# Allegro board RK3588S_Template_LP4XD200P232SD8H2_31X31_2133MHz_H1R6_V11_20220218YWQ.brd (continued)
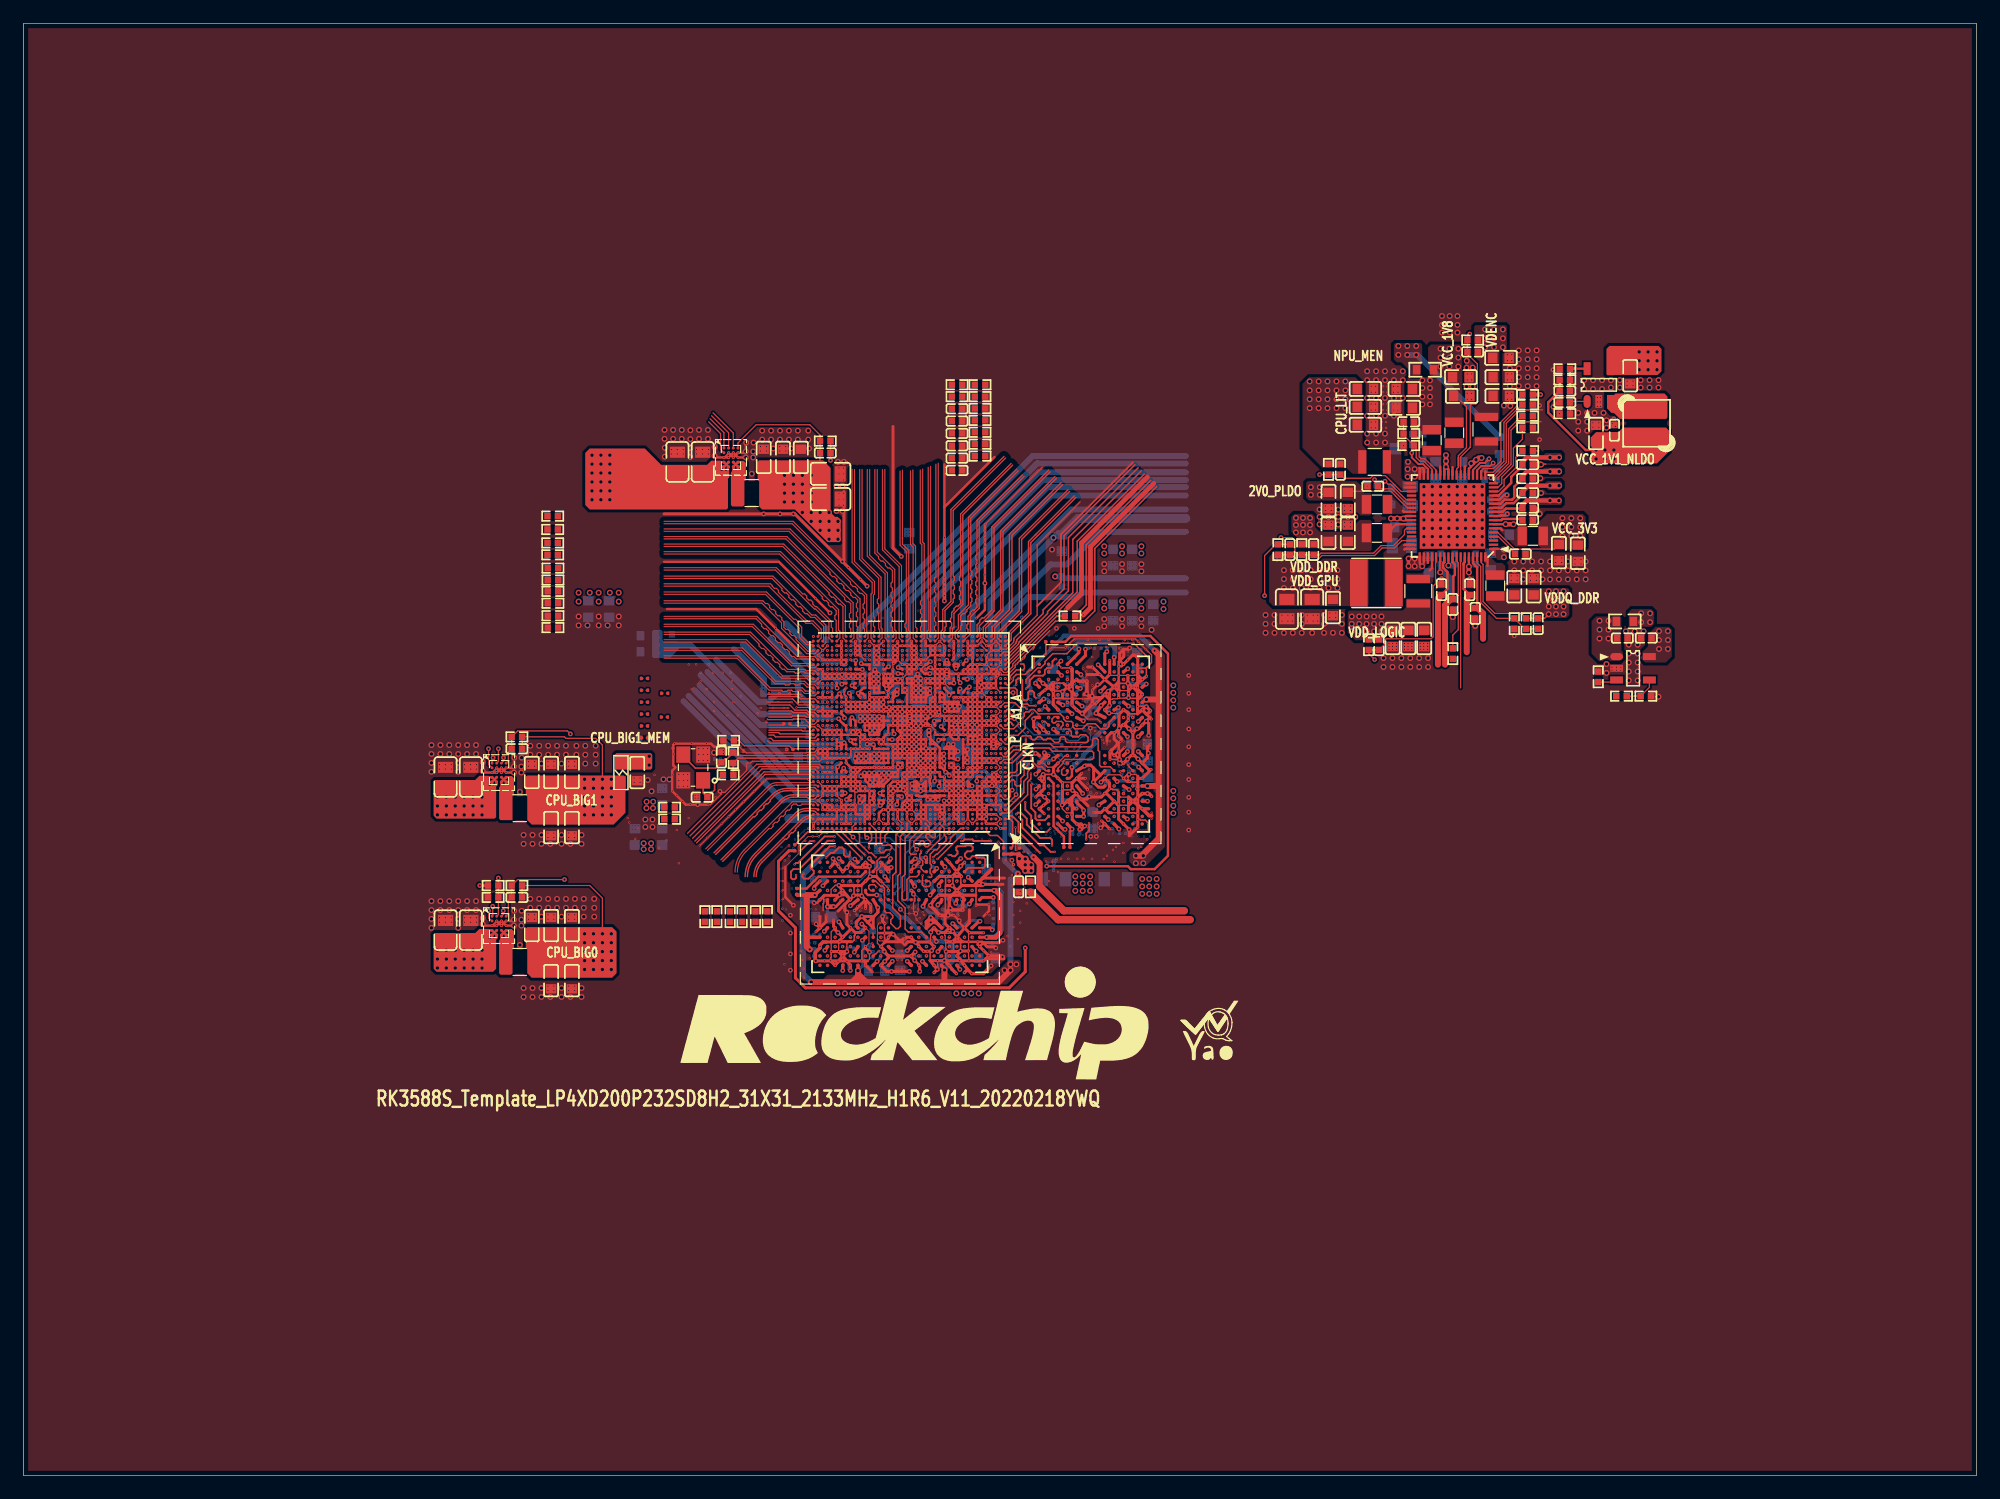
[diagram p0: board, top side]
## Routing (per net, layer and track width the routed paths; a pad name or vN(x,y) marks a point on that pad's centre or on a via; arc(x,y) is an arc through that point) (continued)
DDR_CH0_DQ7_B: length 12.1
  L3-S1 w0.079: v2(89.19,56.32) 88.71,56.32 88.44,56.06 87.45,56.06 86.85,56.66 v3(86.58,56.66) ; v2(82.29,60.5) 82.05,60.5 v3(82,60.55)
  L6-S2 w0.079: v3(86.58,56.66) 84.76,56.66 84.15,57.27 84.04,57.27 83.8,57.03 83.69,57.03 83.58,57.14 83.58,57.25 83.82,57.49 83.82,57.6 83.71,57.72 83.6,57.72 83.35,57.47 83.24,57.47 83.13,57.59 83.13,57.7 83.37,57.94 83.37,58.05 83.25,58.18 82.67,58.18 82.09,58.75 82.09,60.46 v3(82,60.55)
DDR_CH0_DQ8_A: length 18.3
  TOP w0.122: v2(85.24,69.35) 85.4,69.35 85.52,69.22 85.52,68.96 85.4,68.83 84.84,68.83 84.33,68.33 v2(84.33,68.06)
  L3-S1 w0.079: v2(94.79,68.67) 94.79,69.17 93.85,70.1 93.6,70.1 93.48,70.23 93.48,70.48 93.34,70.62 93.23,70.62 93.15,70.54 93.04,70.54 92.93,70.65 92.93,70.76 93.01,70.84 93.01,70.95 92.42,71.54 92.28,71.54 92.2,71.46 92.2,71.22 92.12,71.14 91.96,71.14 91.89,71.22 91.89,71.46 91.81,71.54 91.65,71.54 91.57,71.46 91.57,71.33 91.49,71.25 91.33,71.25 91.26,71.33 91.26,71.46 91.18,71.54 87.43,71.54 v2(85.24,69.35) ; v2(82.29,66.9) 82.85,67.46 83.08,67.46 83.26,67.64 83.95,67.64 84.33,68.03 v2(84.33,68.06)
DDR_CH0_DQ8_B: length 16.6
  L3-S1 w0.079: v2(82.29,57.7) 82.45,57.54 82.45,57.39 83.21,56.63 83.57,56.63 84.17,56.03 84.26,56.03 84.66,55.64 84.66,54.54 85.64,53.55 91.94,53.55 93.25,54.86 93.85,54.86 94.01,55.02 94.01,55.21 94.46,55.66 94.71,55.66 94.79,55.74 v2(94.79,56.32)
DDR_CH0_DQ9_A: length 17.6
  L3-S1 w0.079: v2(82.29,68.1) 82.9,68.71 83,68.71 84.23,69.93 85.14,69.93 85.51,70.3 85.51,70.38 87.18,72.05 92.63,72.05 95.5,69.18 95.5,68.58 94.95,68.02 v2(94.84,68.02)
DDR_CH0_DQ9_B: length 17.3
  TOP w0.152: v2(85.09,56.26) 85.34,56.01 85.34,55.36 86.86,53.85 87.21,53.85 87.76,53.3 v2(88.12,53.3)
  L3-S1 w0.079: v2(85.09,56.26) 85.09,56.56 83.15,58.5 v2(83.09,58.5) ; v2(88.12,53.3) 92.04,53.3 93.35,54.61 94.36,54.61 95.05,55.3 95.05,56.72 v2(94.79,56.97)
DDR_CH0_DQ10_A: length 17.9
  L3-S1 w0.079: v2(82.69,68.1) 83.43,68.84 84.28,69.69 85.21,69.69 87.32,71.79 92.53,71.79 95.12,69.2 95.12,68.58 94.93,68.39 94.71,68.39 94.6,68.28 94.6,67.9 94.79,67.71 v2(94.79,66.72)
DDR_CH0_DQ10_B: length 19.5
  TOP w0.152: v2(84.18,56.37) 84.48,56.37 85.02,55.82 85.02,55.04 86.84,53.21 v2(86.87,53.21)
  L3-S1 w0.079: v2(94.79,58.27) 94.79,57.99 95.03,57.75 95.03,57.11 95.31,56.84 95.31,55.15 94.51,54.35 93.46,54.35 92.15,53.04 88.09,53.04 87.92,52.87 87.27,52.87 86.93,53.21 v2(86.87,53.21) ; v2(82.69,57.7) 82.69,57.52 83.31,56.9 83.65,56.9 v2(84.18,56.37)
DDR_CH0_DQ11_A: length 20.7
  L3-S1 w0.079: v2(81.89,66.5) 82.11,66.28 82.95,66.28 83.21,66.02 84.56,66.02 85.27,66.73 85.27,67.77 85.98,68.47 85.98,68.64 86.82,69.47 87.56,69.47 87.79,69.71 87.79,70.39 88.06,70.66 88.19,70.66 88.47,70.95 90.86,70.95 91.35,70.45 91.98,70.45 93.34,69.09 v3(93.54,69.09) ; v2(94.79,66.07) 94.76,66.11 v3(94.06,66.11)
  L6-S2 w0.079: v3(93.54,69.09) 93.6,69.09 94.83,67.85 94.83,66.31 v4(94.67,66.15) 94.63,66.11 v3(94.06,66.11)
DDR_CH0_DQ11_B: length 18.3
  TOP w0.152: v2(91.05,55.75) 91.06,55.74 91.06,55.12 90.8,54.86 v2(90.8,54.36)
  L3-S1 w0.079: v2(82.69,58.5) 83.22,57.98 83.22,57.67 83.48,57.4 83.67,57.4 84.58,56.49 84.58,56.34 85.22,55.7 85.22,54.74 85.89,54.07 86.54,54.07 86.97,54.49 87.52,54.49 87.65,54.36 v2(90.8,54.36) ; v2(94.74,58.92) 94.61,59.05 94.39,59.05 94.27,59.17 93.84,59.17 93.2,58.53 92.89,58.53 92.21,57.85 92.21,56.91 v2(91.05,55.75)
DDR_CH0_DQ12_A: length 15.1
  L3-S1 w0.079: v2(93.19,66.07) 93,66.07 92.75,66.32 92.54,66.32 92.46,66.23 92.13,66.23 v3(91.82,66.54) ; v2(83.09,66.49) 83.11,66.49 83.37,66.24 84.54,66.24 85.07,66.76 85.07,67.92 85.72,68.58 85.72,68.75 86.83,69.85 v3(86.95,69.85)
  L6-S2 w0.079: v3(86.95,69.85) 87.29,69.51 87.84,69.51 88.52,68.83 88.72,68.83 89.15,68.4 89.15,67.82 89.28,67.69 89.57,67.69 89.91,67.35 89.91,66.81 89.99,66.73 90.37,66.73 90.89,66.21 91.48,66.21 v3(91.82,66.54)
DDR_CH0_DQ12_B: length 16.4
  TOP w0.152: v2(85.6,57.53) 85.6,57.53 85.6,56.9 86.11,56.39 86.11,55.75 86.86,55 87.44,55 v2(87.73,55.29)
  L3-S1 w0.079: v2(87.73,55.29) 87.76,55.29 88.07,55.6 89.76,55.6 90.04,55.88 90.68,55.88 91.04,56.24 91.04,57.04 92.8,58.8 93.07,58.8 v2(93.19,58.92) ; v2(85.6,57.53) 85.6,58.04 85.47,58.17 85.47,58.33 84.84,58.97 84.84,59.18 84.38,59.64 82.73,59.64 82.29,60.07 v2(82.29,60.1)
DDR_CH0_DQ13_A: length 14.3
  L3-S1 w0.079: v2(83.11,66.92) 83.11,66.98 83.38,67.25 84.14,67.25 85.47,68.58 85.47,68.85 87.19,70.57 87.45,70.57 v3(87.45,70.56) ; v3(91.31,68.01) 91.44,68.14 91.79,68.14 92.59,67.34 92.87,67.34 93.14,67.07 v2(93.14,66.72)
  L6-S2 w0.079: v3(91.31,68.01) 91.12,68.01 91,68.13 90.73,68.13 90.55,67.94 90.3,67.94 89.65,68.59 89.65,69.23 88.9,69.98 88.65,69.98 88.52,70.1 88.52,70.32 88.27,70.57 87.46,70.57 v3(87.45,70.56)
DDR_CH0_DQ13_B: length 15.9
  L3-S1 w0.079: v2(93.14,58.27) 93,58.27 92.89,58.17 92.89,58.05 93.03,57.91 93.03,57.8 92.92,57.69 92.81,57.69 92.66,57.83 92.55,57.83 92.46,57.74 92.46,56.78 90.56,54.87 87.75,54.87 87.5,55.12 87.5,55.74 87.42,55.81 86.78,55.81 86.26,56.33 86.26,56.79 85.82,57.24 85.82,58.07 85.72,58.17 85.72,58.37 85.09,59 85.09,59.23 84.48,59.84 83.5,59.84 83.42,59.92 83.42,60.03 v2(83.49,60.1)
DDR_CH0_DQ14_A: length 18.7
  TOP w0.145: 87.88,69.12 87.77,69 87.46,69 87.27,68.81 87.27,68.49 87.12,68.35 86.38,68.35 86.36,68.33
  TOP w0.152: 86.36,68.33 85.98,67.94 85.98,67.55 v2(85.67,67.24) ; v2(88.2,69.79) 88.14,69.79 87.92,69.57 87.92,69.15 87.88,69.12
  L3-S1 w0.079: v2(85.67,67.24) 85.67,66.61 84.63,65.57 84.03,65.57 83.95,65.65 83.95,65.73 83.87,65.81 83.2,65.81 v2(82.69,65.3) ; v2(93.19,68.02) 93.19,67.72 93.11,67.64 92.66,67.64 92.55,67.75 92.55,67.86 92.59,67.9 92.59,68.01 92.47,68.13 92.36,68.13 92.32,68.08 92.21,68.08 92.1,68.2 92.1,68.31 92.14,68.35 92.14,68.46 92.06,68.54 91.82,68.54 91.68,68.39 91.57,68.39 91.45,68.5 91.45,68.62 91.62,68.78 91.62,68.9 91.51,69.01 91.4,69.01 91.23,68.84 91.12,68.84 91.01,68.95 91.01,69.06 91.15,69.2 91.15,69.32 91.04,69.43 90.93,69.43 90.79,69.28 90.68,69.28 90.56,69.4 90.56,69.51 90.7,69.64 90.85,69.64 90.93,69.72 90.93,69.85 90.87,69.92 90.4,69.92 90.32,69.84 90.32,69.61 90.24,69.54 90.11,69.54 90.03,69.61 90.03,69.86 89.95,69.94 89.84,69.94 89.76,69.86 89.76,69.8 89.68,69.72 89.52,69.72 89.44,69.8 89.44,69.86 89.37,69.94 89.26,69.94 89.19,69.86 89.19,69.8 89.11,69.72 88.97,69.72 88.9,69.8 88.9,69.86 88.82,69.94 88.35,69.94 v2(88.2,69.79)
DDR_CH0_DQ14_B: length 16.6
  L3-S1 w0.079: v2(93.19,56.97) 93.45,56.72 93.45,55.92 91.63,54.1 87.54,54.1 87.41,54.23 87.08,54.23 86.65,53.81 85.76,53.81 84.96,54.61 84.96,55.63 84.4,56.19 84.4,56.46 83.71,57.15 83.4,57.15 82.97,57.58 82.97,57.82 82.62,58.17 82.51,58.17 82.42,58.08 82.25,58.08 82.18,58.16 82.18,58.38 v2(82.29,58.5)
DDR_CH0_DQ15_A: length 16.2
  L3-S1 w0.079: v3(88.13,70.22) 88.16,70.19 91.75,70.19 91.85,70.09 91.85,69.98 91.8,69.93 91.8,69.82 91.91,69.7 92.02,69.7 92.07,69.76 92.19,69.76 92.3,69.65 92.3,69.54 92.24,69.48 92.24,69.37 92.35,69.26 92.46,69.26 92.52,69.31 92.63,69.31 92.74,69.2 92.74,69.09 92.59,68.94 92.59,68.83 92.74,68.67 93.12,68.67 v2(93.2,68.75) ; v2(82.29,65.32) 82.39,65.32 82.82,65.75 v3(82.82,65.9)
  L6-S2 w0.079: v3(82.82,65.9) 83.22,66.29 83.22,67.47 83.57,67.82 83.57,69.22 84.07,69.72 86.23,69.72 86.73,70.22 v3(88.13,70.22)
DDR_CH0_DQ15_B: length 17.3
  L3-S1 w0.079: v2(81.89,60.1) 81.89,60.09 82.01,59.98 82.01,59.87 81.86,59.72 81.86,59.61 81.98,59.5 82.09,59.5 82.23,59.64 82.34,59.64 82.72,59.27 83.01,59.27 83.18,59.44 84.32,59.44 84.59,59.16 84.59,58.92 85.22,58.29 85.22,58.03 85.38,57.87 85.38,57.37 86.07,56.68 86.07,56.21 86.81,55.47 86.92,55.47 87.05,55.61 87.22,55.61 87.32,55.5 87.32,55.34 87.19,55.2 87.19,55.09 87.67,54.61 90.66,54.61 91.05,55 91.23,55 91.3,55.08 91.3,55.25 91.49,55.44 91.6,55.44 91.71,55.33 91.71,55.02 91.86,54.86 92.03,54.86 93.19,56.02 v2(93.19,56.32)
DDR_CH0_DQS0N_A: length 7.6
  L3-S1 w0.069: v2(83.49,68.1) 83.63,68.24 83.63,68.34 83.71,68.41 83.71,68.42 83.92,68.63 84.26,68.63 84.32,68.69 84.32,68.83 v3(84.21,68.94) ; v2(88.42,66.7) 88.21,66.7 v3(88.13,66.61)
  L6-S2 w0.069: v3(88.13,66.61) 87.93,66.81 87.79,66.81 87.62,66.98 87.62,67.48 87.45,67.64 87.45,67.88 87.32,68.01 87.32,68.31 86.97,68.66 86.31,68.66 86.21,68.56 86,68.56 85.9,68.66 85.7,68.66 85.57,68.54 85.43,68.54 85.3,68.41 v4(84.84,68.41) 84.7,68.41 84.4,68.7 84.4,68.88 84.33,68.94 v3(84.21,68.94)
DDR_CH0_DQS0N_B: length 7.3
  L3-S1 w0.069: v2(83.89,55.7) 83.89,55.7 v3(84.2,55.39) ; v3(88.13,58.07) 88.31,58.25 v2(88.42,58.25)
  L6-S2 w0.069: v3(88.13,58.07) 88.13,57.98 88.06,57.91 87.98,57.91 87.51,57.44 87.51,56.42 86.98,55.89 86.96,55.89 86.96,55.89 86.68,55.89 86.68,55.89 85.35,55.89 84.46,55 84.06,55 84,55.06 84,55.2 v3(84.2,55.39)
DDR_CH0_DQS0P_A: length 7.2
  L3-S1 w0.069: v2(88.42,67.35) 88.3,67.35 v3(88.13,67.18) ; v2(83.89,68.1) 83.82,68.17 83.82,68.2 83.8,68.21 83.8,68.26 83.88,68.34 83.88,68.34 83.99,68.45 84.33,68.45 84.58,68.71 84.58,68.75 v3(84.77,68.94)
  L6-S2 w0.069: v3(88.13,67.18) 87.93,66.98 87.86,66.98 87.79,67.05 87.79,67.55 87.63,67.71 87.63,67.95 87.49,68.08 87.49,68.38 87.04,68.83 85.53,68.83 v4(85.47,68.77) 85.41,68.71 85.36,68.71 85.23,68.58 85.09,68.58 85.03,68.64 84.7,68.64 84.65,68.7 84.65,68.82 v3(84.77,68.94)
DDR_CH0_DQS0P_B: length 7.3
  L3-S1 w0.069: v3(88.13,57.5) 88.21,57.59 88.41,57.59 v2(88.42,57.6) ; v2(83.49,55.7) 83.49,55.53 v3(83.63,55.39)
  L6-S2 w0.069: v3(83.63,55.39) 83.83,55.2 83.83,54.99 83.99,54.83 84.53,54.83 85.42,55.72 86.61,55.72 86.61,55.71 87.03,55.71 87.03,55.72 87.05,55.72 87.68,56.35 87.68,57.37 87.93,57.61 88.02,57.61 v3(88.13,57.5)
DDR_CH0_DQS1N_A: length 13.6
  L3-S1 w0.069: v3(84.94,70.43) 84.75,70.61 83.95,70.61 83.52,70.19 83.12,70.19 83.09,70.16 v2(83.09,70.1) ; v2(94.04,66.72) 94,66.77 v3(93.74,66.77)
  L6-S2 w0.069: v3(84.94,70.43) 85.13,70.63 86.36,70.63 87.07,71.33 88.5,71.33 90.28,69.55 90.55,69.55 92.64,67.46 92.75,67.46 93.11,67.1 93.4,67.1 93.47,67.03 v4(93.47,67.01) 93.5,67.01 v3(93.74,66.77)
DDR_CH0_DQS1N_B: length 14.8
  L3-S1 w0.069: v3(85.91,54.85) 86.11,55.05 86.11,55.44 85.45,56.09 85.45,56.62 83.71,58.36 83.71,58.68 v2(83.49,58.9) ; v3(93.71,58.21) 93.98,58.21 v2(94.02,58.25)
  L6-S2 w0.069: v3(93.71,58.21) 93.49,57.99 91.57,57.99 91.23,57.65 90.29,57.65 89.53,56.88 88.75,56.88 87.21,55.34 86.28,55.34 86.11,55.17 86.11,55.05 v3(85.91,54.85)
DDR_CH0_DQS1P_A: length 14
  L3-S1 w0.069: v2(94.04,67.37) 94,67.33 v3(93.74,67.33) ; v2(82.69,70.1) 82.79,70.1 83,70.31 83.01,70.31 83.05,70.36 83.45,70.36 83.88,70.79 84.73,70.79 v3(84.94,70.99)
  L6-S2 w0.069: v3(84.94,70.99) 85.13,70.8 86.29,70.8 87,71.5 88.57,71.5 90.35,69.72 90.62,69.72 92.71,67.63 92.82,67.63 92.99,67.46 v4(93.1,67.46) 93.09,67.46 93.09,67.36 93.18,67.27 93.68,67.27 v3(93.74,67.33)
DDR_CH0_DQS1P_B: length 14.4
  L3-S1 w0.069: v3(93.71,57.64) 93.98,57.64 v2(94.02,57.6) ; v3(86.47,54.85) 86.28,55.05 86.28,55.51 85.63,56.16 85.63,56.69 83.89,58.43 83.89,58.74 83.89,58.74 v2(83.89,58.9)
  L6-S2 w0.069: v3(86.47,54.85) 86.29,55.04 86.29,55.1 86.35,55.17 87.28,55.17 88.82,56.71 89.6,56.71 90.36,57.47 91.3,57.47 91.64,57.81 93.54,57.81 v3(93.71,57.64)
DDR_CH0_LP4/4X_CKE0/LP5_CS0_A: length 8.7
  TOP w0.122: U1000.AK1 v1(84.56,66.9)
  BOTTOM w0.122: R3810.1 89.42,63.22 89.34,63.3 86.31,63.3 85.41,64.2 85.41,65.82 84.56,66.67 v1(84.56,66.9)
DDR_CH0_LP4/4X_CKE0/LP5_CS0_B: length 9.2
  TOP w0.102: U1000.H2 83.81,57.78
  TOP w0.122: 83.81,57.78 84.07,57.78 84.33,58.04 84.33,58.42 v1(84.48,58.57)
  BOTTOM w0.122: R3812.2 88.62,62.53 85.75,62.53 84.48,61.27 v1(84.48,58.57)
DDR_CH0_LP4/4X_CKE1/LP5_CS1_A: length 7.9
  TOP w0.122: U1000.AD1 83.89,64.5 84.06,64.67 v1(84.66,64.67)
  BOTTOM w0.122: v1(84.66,64.67) 84.96,64.37 84.96,64.01 86.06,62.92 89.18,62.92 89.3,62.8 90.11,62.8 90.52,63.22 R3811.1
DDR_CH0_LP4/4X_CKE1/LP5_CS1_B: length 8.2
  TOP w0.122: v1(84.81,58.19) 84.81,58.14 83.97,57.3 U1000.F1
  BOTTOM w0.122: v1(84.81,58.19) 84.86,58.24 84.86,61.11 85.91,62.16 88.09,62.16 R3813.2
DDR_CH0_LP4/4X_CS0_A: length 13.6
  TOP w0.102: 83.9,62.49 U1000.Y2
  TOP w0.122: v2(88.95,63.8) 88.97,63.79 89.32,63.79 89.53,63.57 89.53,63.24 89.66,63.12 90.13,63.12 90.32,63.3 90.75,63.3 90.96,63.09 90.96,62.77 90.84,62.64 89.16,62.64 89.04,62.77 89.04,63 88.91,63.12 88.67,63.12 88.55,63 88.55,62.77 88.43,62.64 88.1,62.64 87.76,62.99 87.5,62.99 87.38,62.87 87.15,62.87 87.02,62.99 87.02,63 86.9,63.12 86.66,63.12 86.54,63 86.54,62.99 86.41,62.87 86.23,62.87 86.11,62.99 86.11,63.12 86.02,63.21 85.36,63.21 85.22,63.06 85.22,62.86 85.1,62.74 84.84,62.74 84.71,62.87 84.43,62.87 84.33,62.76 84.33,62.61 84.2,62.49 83.9,62.49
  L3-S1 w0.064: v2(88.95,63.8) 88.98,63.83 88.98,64.17 89.19,64.38 v2(89.19,64.77)
DDR_CH0_LP4/4X_CS0_B: length 11
  TOP w0.122: v2(88.93,60.49) 88.7,60.27 88.7,59.96 88.83,59.84 89.03,59.84 89.22,60.03 89.22,60.2 U3800.R4 ; v2(85.89,60.81) 85.5,60.41 85.5,59.84 85.22,59.56 85.22,59.05 85.1,58.93 84.83,58.93 84.71,59.05 84.71,59.31 84.58,59.44 84.45,59.44 84.18,59.16 84.18,58.78 83.9,58.5 U1000.J1
  L3-S1 w0.064: v2(88.93,60.49) 88.8,60.36 88.8,60.27 88.86,60.21 89.09,60.21 89.27,60.39 89.27,60.53 88.93,60.87 88.75,60.87 88.68,60.8 88.68,60.55 88.62,60.49 88.55,60.49 88.49,60.55 88.49,60.73 88.43,60.79 88.34,60.79 88.21,60.67 88.19,60.67 87.66,60.67 86.78,60.67 86.7,60.74 85.95,60.74 v2(85.89,60.81)
DDR_CH0_LP4/4X_CS1_A: length 11.6
  TOP w0.122: v2(88.65,63.79) 88.65,63.94 88.82,64.11 88.82,64.32 88.7,64.44 88.26,64.44 88.14,64.32 87.99,64.32 87.88,64.42 87.88,64.64 88.09,64.85 88.32,64.85 U3800.H3 ; U1000.AC1 84.03,64.1 84.1,64.17 84.1,64.27 84.2,64.37 84.35,64.37 84.45,64.27 84.45,64.22 v2(84.56,64.12)
  L3-S1 w0.064: v2(88.65,63.79) 88.71,63.85 88.71,63.94 88.65,64.01 88.65,64.16 88.74,64.26 88.81,64.26 88.9,64.35 88.9,64.52 88.96,64.57 88.96,64.79 88.85,64.9 88.72,64.9 88.65,64.82 88.49,64.82 88.42,64.9 88.28,64.9 88.22,64.83 88.22,64.24 88.11,64.14 88.01,64.14 87.88,64.26 87.79,64.26 87.7,64.17 87.7,63.78 87.64,63.71 87.52,63.71 87.46,63.78 87.46,63.94 87.4,64.01 87.34,64.01 87.22,64.14 87.12,64.14 86.99,64.01 86.93,64.01 86.87,64.07 86.87,64.25 86.8,64.31 86.69,64.31 86.62,64.25 86.62,64.13 86.58,64.08 86.48,64.08 86.42,64.14 86.42,64.27 86.35,64.33 86.23,64.33 86.16,64.26 86.16,64.16 86.09,64.09 85.58,64.09 85.51,64.02 84.99,64.02 84.9,64.1 84.8,64.1 84.72,64.02 84.62,64.02 84.56,64.08 v2(84.56,64.12)
DDR_CH0_LP4/4X_CS1_B: length 13.2
  TOP w0.122: U1000.M1 83.96,59.7 84.33,60.07 84.71,60.07 84.9,60.26 84.9,60.77 86.3,62.17 87.63,62.17 87.91,61.89 91.31,61.89 91.44,61.76 91.44,61.32 91.31,61.19 88.99,61.19 88.83,61.03 88.83,60.87 88.39,60.43 U3800.R3
DDR_CH1_A0_C: length 9.7
  TOP w0.102: 77.38,55.41 U1000.B18
  TOP w0.122: v2(76.58,53.85) 76.54,53.88 76.54,54.06 76.71,54.23 76.87,54.23 76.98,54.12 76.98,53.84 77.09,53.73 77.27,53.73 77.5,53.97 77.5,54.15 77.1,54.54 77.1,54.7 77.21,54.81 77.37,54.81 77.67,54.51 77.83,54.51 77.91,54.59 77.91,54.87 77.66,55.12 77.47,55.12 77.38,55.21 77.38,55.41
  TOP w0.127: U3801.H2 76.96,51.6 76.71,51.85 76.71,52.07 76.83,52.2 76.83,52.51 76.58,52.77 76.58,53.09 76.71,53.21 v2(76.71,53.39)
  L3-S1 w0.079: v2(76.71,53.39) 76.74,53.36 76.85,53.36 77,53.5 77,53.61 76.92,53.7 76.92,54.27 76.79,54.4 76.57,54.4 76.47,54.29 76.47,53.96 v2(76.58,53.85)
DDR_CH1_A0_D: length 10.4
  TOP w0.122: U1000.A26 73.89,54.97 73.6,54.68 v2(73.6,54.23)
  TOP w0.127: U3801.R2 72.6,51.68 72.94,52.02 72.94,52.53 73.23,52.82 73.67,52.82 v2(73.94,53.09)
  L3-S1 w0.064: v3(73.65,52.96) 73.78,53.09 v2(73.94,53.09) ; v3(73.34,54.02) 73.56,54.23 v2(73.6,54.23)
  L6-S2 w0.064: v3(73.65,52.96) 73.41,52.96 73.26,52.82 73.26,52.32 73.51,52.07 73.72,52.07 73.79,52.01 73.79,51.88 73.72,51.82 73.28,51.82 73.11,51.64 72.97,51.64 72.91,51.71 72.91,51.88 72.97,51.94 73.09,51.94 73.15,52 73.15,52.13 73.09,52.19 72.97,52.19 72.91,52.26 72.91,52.4 72.81,52.51 72.81,52.85 72.87,52.92 73.09,52.92 73.15,52.98 73.15,53.11 73.09,53.17 72.97,53.17 72.91,53.23 72.91,53.66 72.97,53.72 73.26,53.72 73.37,53.83 73.37,53.99 v3(73.34,54.02)
DDR_CH1_A1_C: length 9.9
  TOP w0.122: U1000.A21 75.89,55.04 75.34,54.48 75.34,51.38 75.08,51.12 75.08,49.29 75.2,49.17 75.37,49.17 75.49,49.29 75.49,50.92 75.74,51.17 76.32,51.17 76.5,51.36 U3801.J2
DDR_CH1_A1_D: length 12.1
  TOP w0.122: v2(73.17,53.61) 73.13,53.57 73.13,53.36 73.25,53.24 73.48,53.24 73.71,53.47 74.05,53.47 74.17,53.59 74.17,53.76 74.05,53.88 73.77,53.88 73.74,53.85 73.42,53.85 73.23,54.05 73.23,54.94 73.49,55.2 U1000.A27
  L3-S1 w0.064: v2(73.17,53.61) 73.17,53.36 73.32,53.22 73.32,52.42 73.26,52.36 73.26,51.97 73.33,51.91 73.76,51.91 73.81,51.86 73.81,51.77 73.7,51.66 73.7,51.57 73.79,51.48 73.88,51.48 73.99,51.59 74.08,51.59 74.18,51.49 74.18,51.36 74.12,51.3 74.03,51.3 73.97,51.24 73.97,51.11 74.03,51.05 74.3,51.05 74.36,50.98 74.36,50.09 74.3,50.02 74.21,50.02 74.04,50.19 74.04,50.74 73.93,50.85 73.72,50.85 73.66,50.79 73.66,50.66 73.59,50.59 73.48,50.59 73.41,50.66 73.41,50.92 73.28,51.05 v2(73.28,51.63)
DDR_CH1_A2_C: length 11.7
  TOP w0.122: U3801.H9 76.71,46.44 75.6,46.44 75.34,46.71 75.34,48.5 74.7,49.13 74.7,51.24 74.93,51.47 74.93,54.62 75.49,55.18 U1000.B22
DDR_CH1_A2_D: length 12
  TOP w0.122: v2(72.6,46.32) U3801.R9 ; v2(72.26,53.59) 72.26,54.1 72.47,54.31 72.47,54.79 72.29,54.96 U1000.A30
  L3-S1 w0.064: v2(72.26,53.59) 72.25,53.58 72.25,53.11 72.33,53.04 72.41,53.04 72.41,53.03 72.44,53.03 72.6,52.88 72.6,52.37 72.64,52.32 72.64,51.82 72.56,51.74 72.32,51.74 72.25,51.67 72.25,51.58 72.32,51.52 72.45,51.52 72.66,51.32 72.66,51.06 72.64,51.05 72.64,51.03 72.37,50.76 72.37,50.07 72.37,49.71 72.37,49.71 72.37,49.39 72.37,49.39 72.37,49.27 72.37,48.85 72.37,48.41 72.61,48.17 72.61,48.05 72.55,47.99 72.44,47.99 72.37,47.92 72.37,47.8 72.44,47.73 72.67,47.73 72.73,47.67 72.73,47.54 72.67,47.48 72.44,47.48 72.37,47.42 72.37,47.29 72.44,47.23 72.55,47.23 72.61,47.16 72.61,47.03 72.55,46.97 72.44,46.97 72.37,46.91 72.37,46.82 72.43,46.76 72.54,46.76 72.59,46.71 72.59,46.63 72.54,46.57 72.45,46.57 72.39,46.52 72.39,46.44 72.51,46.32 v2(72.6,46.32)
DDR_CH1_A3_C: length 13.5
  TOP w0.122: U1000.A7 81.18,54.99 80.42,54.99 78.11,52.68 v2(78.09,52.68)
  L3-S1 w0.064: v2(77.15,45.2) 77.4,45.44 77.4,45.86 77.85,46.31 77.85,47.92 78.08,48.15 78.51,48.15 78.74,48.39 78.74,48.97 78.42,49.29 78.42,49.7 77.87,50.25 77.87,51.51 77.72,51.66 77.72,51.75 77.72,51.76 77.72,52.02 77.72,52.02 77.72,52.03 78.01,52.32 78.01,52.6 v2(78.09,52.68)
DDR_CH1_A3_D: length 11.2
  TOP w0.122: U3801.R10 72.6,45.38 v2(72.52,45.47) ; v2(71.92,53) 71.91,53 69.89,55.01 U1000.A36
  L3-S1 w0.064: v2(72.52,45.47) 72.52,46.01 72.16,46.37 72.16,48.76 72.16,48.82 72.16,49.8 72.16,49.8 72.16,50.51 72.01,50.66 72.01,51.78 71.95,51.85 71.95,52.98 v2(71.92,53)
DDR_CH1_A4_C: length 14.2
  TOP w0.122: U1000.A10 80.07,55.3 79.21,54.44 79.21,54.23 78.06,53.09 77.99,53.09 v2(77.74,52.83)
  L3-S1 w0.064: v2(77.74,52.83) 77.6,52.83 77.36,52.59 77.33,52.59 77.14,52.4 77.14,52.12 77.34,51.91 77.34,51.73 77.66,51.42 77.66,50.16 78.2,49.62 78.2,49.21 78.52,48.88 78.52,48.55 78.36,48.39 77.8,48.39 77.18,47.77 77.18,45.66 76.83,45.31 76.83,44.75 v2(77.17,44.42)
DDR_CH1_A4_D: length 13.3
  TOP w0.102: 70.8,55.41 U1000.B33
  TOP w0.122: 70.8,55.41 70.8,55.12 70.93,54.99 71.25,54.99 71.44,54.8 71.44,54.01 72.23,53.21 72.45,53.21 v2(72.83,52.83) ; U3801.R11 72.78,44.58 72.83,44.58 v2(73.09,44.83)
  L3-S1 w0.064: v2(73.09,44.83) 73.22,44.97 73.22,45.42 72.83,45.81 72.83,46.19 72.84,46.2 72.84,46.6 72.83,46.61 72.83,47.22 72.95,47.34 72.95,48.14 72.59,48.5 72.59,49.15 72.59,50.05 72.59,50.06 72.59,50.67 72.83,50.91 v2(72.83,52.83)
DDR_CH1_A5_C: length 12.4
  TOP w0.122: v2(77.17,53.22) 78.29,54.35 U1000.A15
  L3-S1 w0.064: v2(77.17,53.22) 77.06,53.11 76.96,53.11 76.75,52.9 76.75,52.67 76.92,52.49 76.92,52.03 77.09,51.86 77.09,50.91 77.17,50.83 77.17,50.55 76.83,50.22 76.83,49.91 76.89,49.86 76.89,49.51 76.8,49.42 76.8,49.14 77.17,48.76 77.17,48.07 76.97,47.86 76.97,45.81 76.62,45.46 76.62,44.51 v2(76.5,44.4)
DDR_CH1_A5_D: length 12.6
  TOP w0.122: U1000.A38 69.09,55.27 v2(71.64,52.72)
  L3-S1 w0.064: v2(71.64,52.72) 71.73,52.64 71.73,51.76 71.8,51.69 71.8,50.51 71.94,50.36 71.94,49.89 71.94,49.89 71.94,48.73 71.94,48.67 71.94,46.28 72.25,45.97 72.25,45.34 73.19,44.4 v2(73.2,44.4)
DDR_CH1_CLKN_C: length 11.7
  L3-S1 w0.069: v2(75.89,56.5) 75.89,56.49 75.66,56.25 75.66,53.16 75.45,52.95 75.45,50.81 75.31,50.67 75.31,50.59 75.31,50.59 75.31,50.25 75.31,50.25 75.31,50.18 75.44,50.05 75.44,49.53 75.65,49.32 75.65,49.25 75.65,49.25 75.65,49.05 75.65,49.05 75.65,48.95 75.58,48.89 75.48,48.89 75.31,48.73 75.31,48.24 75.48,48.07 75.58,48.07 75.65,48.01 75.65,47.81 75.79,47.66 75.79,46.77 76.29,46.28 76.44,46.28 76.5,46.22 v2(76.5,46)
DDR_CH1_CLKN_D: length 16.2
  L3-S1 w0.069: v2(73.29,46) 73.39,46.1 73.75,46.1 74,45.85 74,45.57 74.17,45.4 74.8,45.4 74.98,45.58 74.98,46.64 74.81,46.81 74.19,46.81 74.08,46.92 74.02,46.98 74.02,47.3 74.2,47.48 74.2,47.48 74.24,47.53 74.51,47.53 74.68,47.69 74.68,48.13 74.46,48.35 73.85,48.35 73.79,48.41 73.79,48.65 74.18,49.04 74.55,49.04 74.93,49.43 74.93,51.22 74.74,51.41 74.74,51.9 74.9,52.06 74.9,53.02 75.31,53.43 75.31,56.29 v2(75.09,56.5)
DDR_CH1_CLKP_C: length 11
  L3-S1 w0.069: v2(75.89,56.1) 75.83,56.04 75.83,53.09 75.62,52.88 75.62,50.74 75.48,50.6 75.48,50.52 75.48,50.52 75.48,50.32 75.48,50.32 75.48,50.25 75.61,50.12 75.61,49.6 75.82,49.39 75.82,49.32 75.82,49.32 75.82,48.98 75.82,48.98 75.82,48.88 75.65,48.72 75.55,48.72 75.48,48.65 75.48,48.31 75.55,48.24 75.65,48.24 75.82,48.08 75.82,47.88 75.97,47.73 75.97,46.84 76.36,46.45 76.44,46.45 76.5,46.51 v2(76.5,46.8)
DDR_CH1_CLKP_D: length 16.1
  L3-S1 w0.069: v2(75.09,56.1) 75.13,56.06 75.13,55.07 75.03,54.97 75.03,54.76 75.13,54.66 75.13,54.43 75.03,54.33 75.03,54.13 75.13,54.02 75.13,53.5 74.73,53.09 74.73,52.95 74.73,52.13 74.56,51.97 74.56,51.34 74.76,51.15 74.76,49.5 74.47,49.21 74.11,49.21 73.61,48.72 73.61,48.34 73.78,48.18 74.39,48.18 74.5,48.06 74.5,47.76 74.44,47.7 74.17,47.7 74.02,47.55 74.02,47.55 73.85,47.37 73.85,46.91 74.01,46.74 74.12,46.63 74.74,46.63 74.81,46.56 74.81,45.66 74.72,45.57 74.24,45.57 74.17,45.64 74.17,45.92 73.82,46.27 73.36,46.27 73.28,46.35 73.28,46.79 v2(73.29,46.8)
DDR_CH1_DM0_C: length 10.9
  L3-S1 w0.079: v3(77.1,56.6) 77.11,56.6 77.41,56.9 v2(77.49,56.9) ; v3(80.31,50.5) 80.38,50.57 v2(80.38,50.8)
  L6-S2 w0.079: v3(77.1,56.6) 77.18,56.53 77.18,54.68 76.64,54.14 76.64,53.65 76.64,53.65 76.64,53.56 76.64,53.56 76.64,52.53 77.85,51.32 77.85,50.16 78.23,49.78 79.59,49.78 v3(80.31,50.5)
DDR_CH1_DM0_D: length 13.4
  L3-S1 w0.064: v2(73.49,56.5) 73.24,56.24 v3(73.1,56.24)
  L3-S1 w0.079: v2(69.31,50.77) 69.15,50.77 68.46,51.46 68.46,51.78 68.93,52.25 v3(68.98,52.25)
  L6-S2 w0.079: v3(68.98,52.25) 68.83,52.39 68.83,52.92 68.96,53.05 69.39,53.05 69.47,53.13 69.47,53.26 69.39,53.34 68.94,53.34 68.86,53.42 68.86,53.61 68.94,53.69 69.41,53.69 69.48,53.76 69.48,53.92 69.41,54 69.2,54 69.13,54.08 69.13,54.24 69.2,54.32 69.41,54.32 69.48,54.39 69.48,54.55 69.41,54.63 69.2,54.63 69.13,54.71 69.13,54.87 69.2,54.95 69.41,54.95 69.48,55.02 69.48,55.18 69.41,55.26 69.2,55.26 69.13,55.34 69.13,55.49 69.2,55.57 72.33,55.57 72.51,55.74 73.02,55.74 73.1,55.83 v3(73.1,56.24)
DDR_CH1_DM1_C: length 15.8
  L3-S1 w0.079: v3(83.57,47.37) 83.66,47.46 83.66,50.45 82.59,51.52 82.59,52.52 82.38,52.73 82.38,53.55 81.73,54.2 81.26,54.2 80.98,54.48 80.52,54.48 80.01,54.99 80.01,55.37 79.76,55.63 79.76,55.84 v2(79.09,56.5) ; v2(80.43,45.17) v3(80.72,45.46)
  L6-S2 w0.079: v3(83.57,47.37) 82.42,47.37 80.72,45.66 v3(80.72,45.46)
DDR_CH1_DM1_D: length 16.4
  TOP w0.152: v2(69.32,54.61) 68.45,54.61 67.69,53.85 67.67,53.85 66.17,52.34 66,52.34 v2(65.89,52.22)
  L3-S1 w0.079: v2(65.89,52.22) 65.66,52 65.66,49.91 66.14,49.43 66.14,47.39 68.08,45.46 68.36,45.46 68.44,45.38 68.44,45.29 68.52,45.21 68.67,45.21 68.75,45.29 68.75,45.38 68.83,45.46 69.09,45.46 v2(69.35,45.2) ; v2(69.32,54.61) 69.34,54.61 69.98,55.24 70.15,55.24 71,56.1 v2(71.09,56.1)
DDR_CH1_DQ0_C: length 11
  L3-S1 w0.079: v2(76.29,55.7) 76.34,55.75 76.46,55.75 76.58,55.63 76.58,55.47 76.66,55.39 76.88,55.39 76.96,55.31 76.96,55.11 76.88,55.03 76.42,55.03 76.34,54.96 76.34,54.84 76.42,54.76 76.99,54.76 77.44,54.31 77.44,54.13 77.57,54 77.75,54 77.85,53.9 77.85,53.72 77.98,53.59 78.16,53.59 78.49,53.27 78.49,53.08 78.85,52.72 79.13,52.72 79.2,52.78 79.63,52.78 79.71,52.71 79.71,52.53 79.84,52.41 80.22,52.41 80.31,52.5 80.43,52.5 80.63,52.3 80.63,52.18 80.46,52.01 80.46,51.91 80.55,51.82 80.55,51.72 80.48,51.66 80.39,51.66 80.3,51.74 80.19,51.74 80.08,51.63 80.08,51.52 80.26,51.34 80.49,51.34 80.6,51.44 80.65,51.44 80.77,51.56 80.77,51.88 80.85,51.96 80.97,51.96 81.05,51.88 v2(81.05,51.63)
